# KiCad board ben-eater-computer.kicad_pcb (continued)
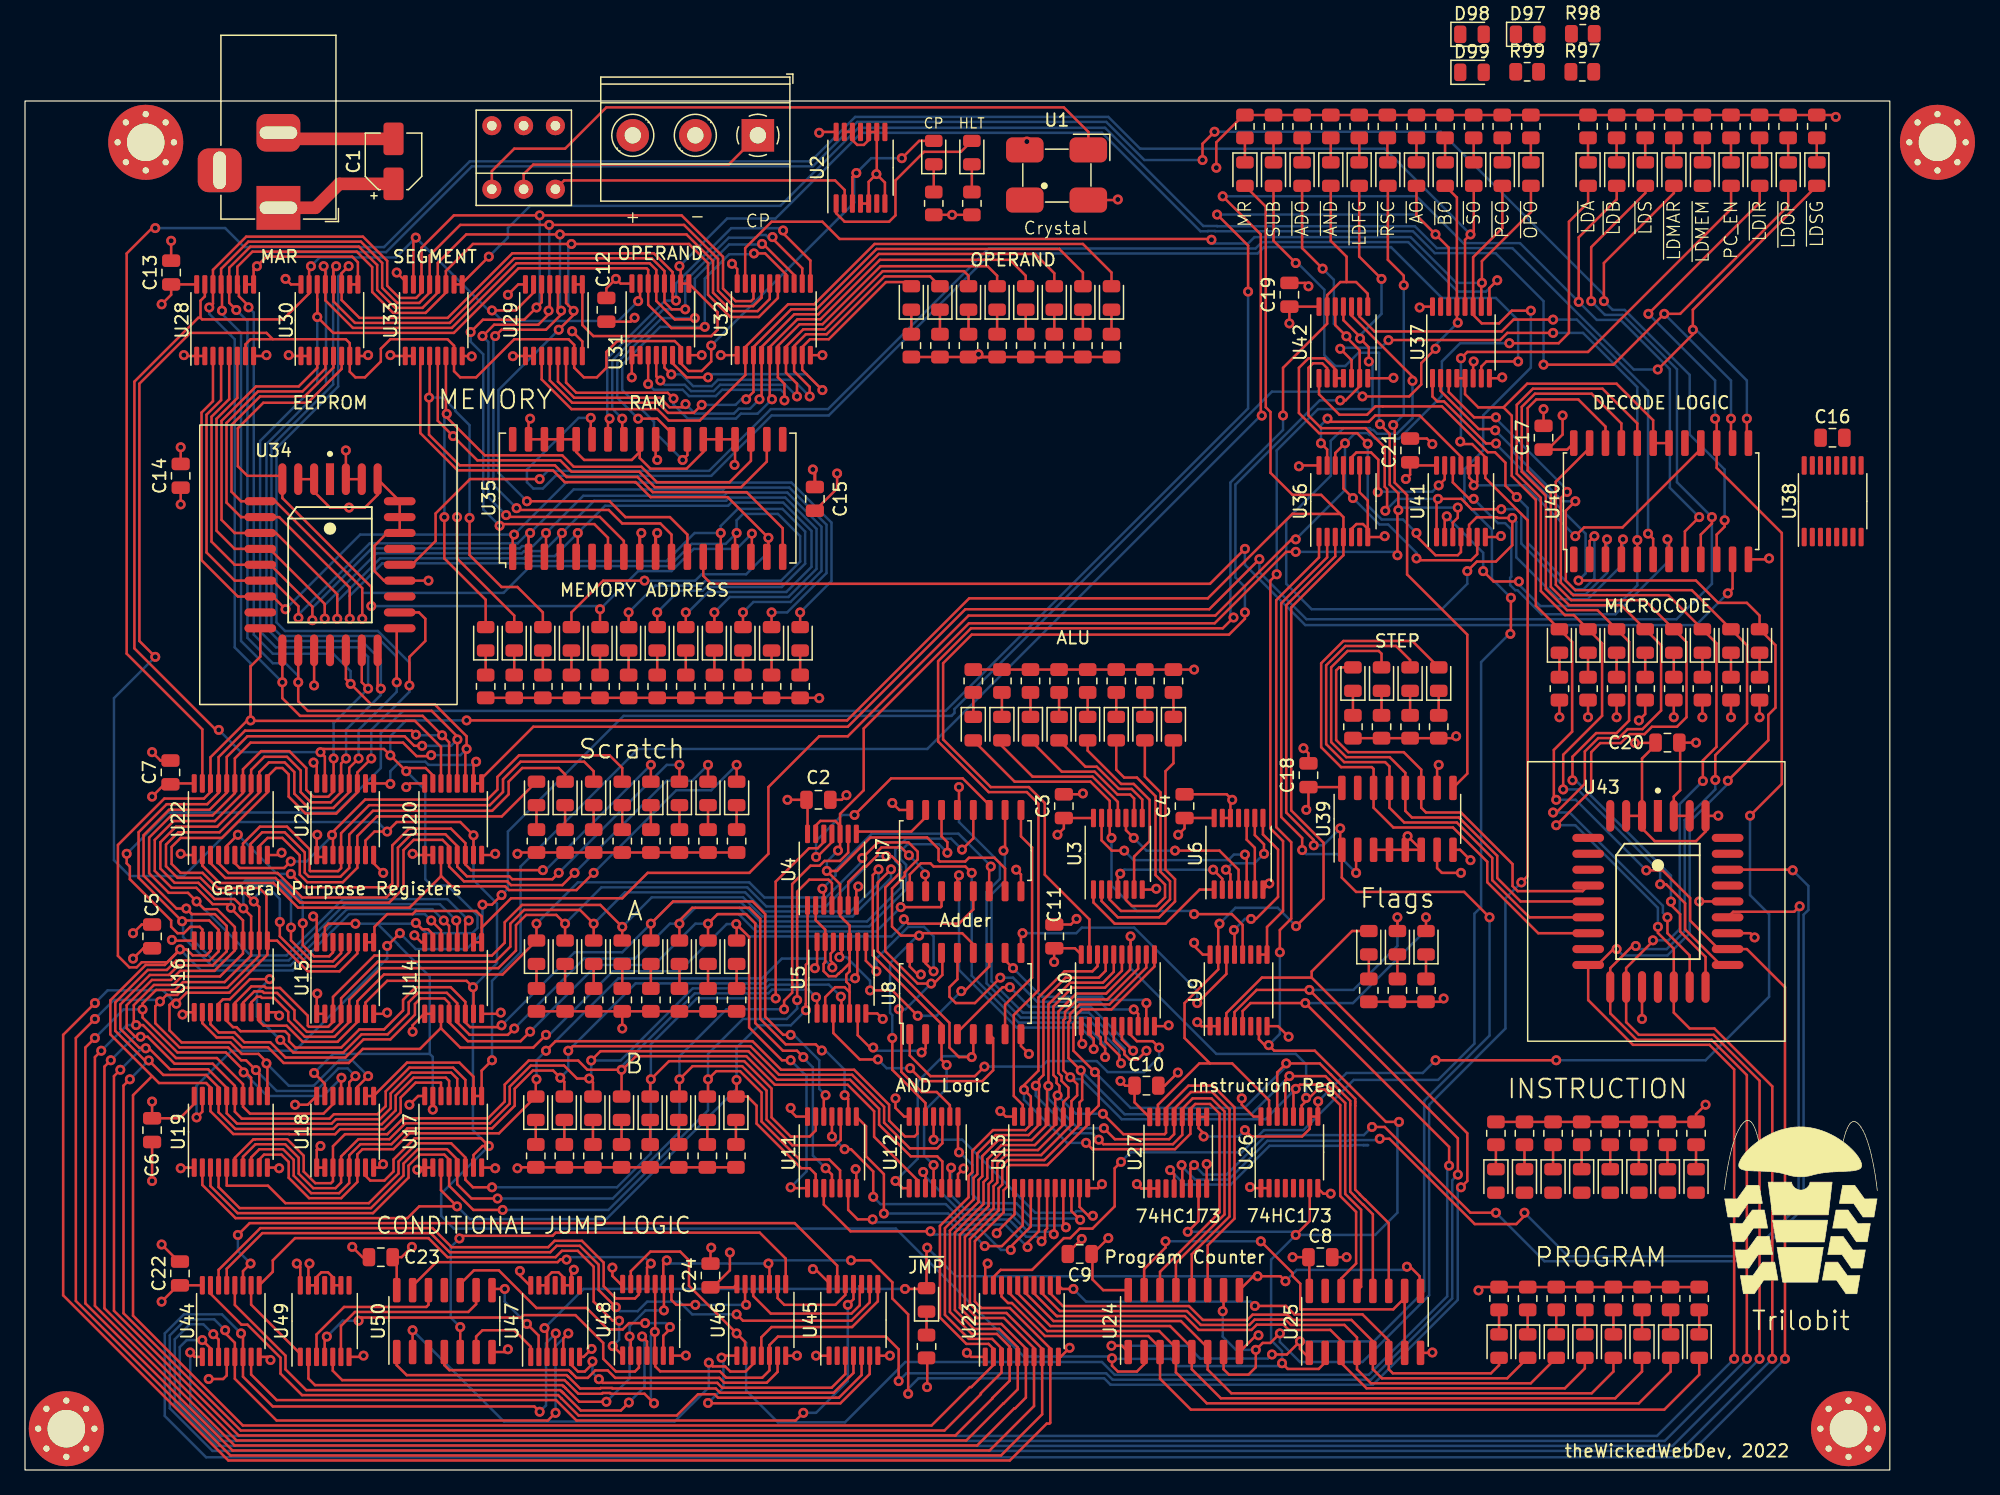
[diagram p0: board, top side]
## Routing (per net, layer and track width the routed paths; a pad name or vN(x,y) marks a point on that pad's centre or on a via; arc(x,y) is an arc through that point) (continued)
/Memory/MAR5: length 93.4
  Top w0.2: D60.2 v1(50.55,68.58) ; U30.4 24.01,88.08 22.19,86.25 18.63,86.25 16.11,83.73 16.11,77.36 17.27,76.2 U34.6 20.32,76.2 25.96,70.56 v1(25.96,68.07) ; v1(55.63,74.93) 55.63,73.15
  Bottom w0.2: v1(25.96,68.07) 25.96,69.91 28.56,72.5 40.06,72.5 40.23,72.68 51.29,72.68 53.54,74.93 v1(55.63,74.93) 55.63,75.49 56.98,76.85 60.56,76.85 62.38,75.04 62.38,72.48 60.51,70.61 54.47,70.61 54.18,70.32 52.29,70.32 v1(50.55,68.58)
/Memory/MAR6: length 94
  Top w0.2: U35.15 56.77,74.8 v1(56.9,74.93) ; D59.2 v1(48.26,68.58) ; v1(26.96,68.07) 26.96,70.52 20.01,77.47 U34.5 17.27,77.47 16.51,78.23 16.51,83.57 18.8,85.85 22.35,85.85 24.66,88.16 U30.5
  Bottom w0.2: v1(48.26,68.58) 50.4,70.72 54.01,70.72 54.41,71.12 60.45,71.12 61.98,72.64 61.98,74.68 60.2,76.45 57.4,76.45 56.9,75.95 v1(56.9,74.93) 56.03,74.06 53.3,74.06 51.52,72.28 40.4,72.28 38.26,70.14 26.96,70.14 v1(26.96,68.07)
/Memory/MAR7: length 67.7
  Top w0.2: D58.2 v1(45.97,68.83) ; U30.6 25.31,88.05 22.61,85.34 19.05,85.34 17.02,83.31 17.02,80.26 17.78,79.5 20.31,79.5 U34.4 20.57,77.72 27.69,70.61 v1(27.69,69.09) ; 58.11,73.1 v1(58.11,74.88)
  Bottom w0.2: v1(27.69,69.09) 45.72,69.09 v1(45.97,68.83) 49.02,71.88 51.69,71.88 53.47,73.66 56.9,73.66 v1(58.11,74.88)
/Memory/OPND0: length 58
  Top w0.2: U29.3 41.31,87.21 43.69,84.84 50.55,84.84 51.46,83.92 53.95,83.92 57.59,87.56 U32.2 57.59,89.8 61.01,93.22 63.1,93.22 67.93,98.04 84.58,98.04 86.87,95.76 D73.2
/Memory/OPND1: length 55.1
  Top w0.2: v1(57.66,85.62) 58.24,86.21 U32.3 58.24,89.8 61.26,92.82 63.27,92.82 68.09,97.64 82.7,97.64 84.58,95.76 D72.2 ; v1(54.1,85.18) 53.46,84.54 51.41,84.54 50.6,85.34 43.74,85.34 41.96,87.13 U29.4
  Bottom w0.2: v1(57.66,85.62) 57.26,85.62 56.81,85.18 v1(54.1,85.18)
/Memory/OPND2: length 52.3
  Top w0.2: U29.5 42.61,87.04 43.91,85.74 50.77,85.74 51.53,84.98 52.55,84.98 v1(52.81,85.24) ; D71.2 82.3,95.7 80.75,97.24 68.26,97.24 63.43,92.42 61.51,92.42 58.89,89.8 U32.4 58.89,85.79 v1(58.72,85.62)
  Bottom w0.2: v1(52.81,85.24) 53.57,84.48 56.68,84.48 57.07,84.87 57.97,84.87 v1(58.72,85.62)
/Memory/OPND3: length 49.7
  Top w0.2: D70.2 80.01,95.5 78.74,96.77 68.35,96.77 63.6,92.02 61.76,92.02 59.54,89.8 U32.5 59.54,85.8 v1(59.72,85.62) ; v1(51.85,85.68) 51.39,86.14 44.08,86.14 43.26,86.96 U29.6
  Bottom w0.2: v1(51.85,85.68) 51.85,85.21 52.98,84.08 56.84,84.08 57.24,84.47 58.57,84.47 v1(59.72,85.62)
/Memory/OPND4: length 40.4
  Top w0.2: v1(49.82,86.84) 49.83,86.84 U31.3 ; D69.2 77.72,95.5 76.96,96.27 68.41,96.27 63.77,91.62 61.93,91.62 60.19,89.89 U32.6 60.19,87.38 60.72,86.86 v1(60.72,85.54)
  Bottom w0.2: v1(49.82,86.84) 50.29,86.38 52.58,86.38 53.09,85.88 55.23,85.88 55.73,86.38 60.43,86.38 60.72,86.09 v1(60.72,85.54)
/Memory/OPND5: length 36.5
  Top w0.2: v1(61.72,85.85) 61.72,86.87 60.84,87.75 U32.7 60.84,89.84 62.23,91.22 63.93,91.22 68.57,95.87 75.08,95.87 75.44,95.5 D68.2 ; U31.4 50.47,87.45 v1(50.8,87.12)
  Bottom w0.2: v1(61.72,85.85) 60.79,86.78 55.57,86.78 55.07,86.28 53.25,86.28 52.75,86.78 51.14,86.78 v1(50.8,87.12)
/Memory/OPND6: length 32.8
  Top w0.2: D67.2 72.36,95.45 68.72,95.45 64.1,90.82 62.43,90.82 61.49,89.88 U32.8 61.49,87.86 62.74,86.61 v1(62.74,85.85) ; U31.5 51.12,88.16 v1(51.67,87.62)
  Bottom w0.2: v1(62.74,85.85) 61.41,87.18 55.4,87.18 54.9,86.68 53.42,86.68 52.48,87.62 v1(51.67,87.62)
/Memory/OPND7: length 28.4
  Top w0.2: v1(63.75,86.36) 62.14,87.97 U32.9 62.14,89.8 62.76,90.42 64.26,90.42 68.83,95 70.53,95 ; v1(54.61,87.38) 52.9,87.38 51.78,88.5 51.78,89.15
  Bottom w0.2: v1(63.75,86.36) 62.48,87.63 54.86,87.63 v1(54.61,87.38)
/Memory/SEG0: length 58.8
  Top w0.2: v1(49.53,71.12) 46.23,71.12 43.69,68.58 D57.2 ; 31.6,88.99 31.6,82.92 34.58,79.94 42.21,79.94 43.15,79 48.82,79 50.02,77.8 56.18,77.8 v1(59.44,74.54) 59.44,73.15
  Bottom w0.2: v1(59.44,74.54) 59.44,73.41 57.66,71.63 54.1,71.63 53.59,71.12 v1(49.53,71.12)
/Memory/SEG1: length 63.5
  Top w0.2: U33.4 32.35,85.81 v1(32.3,85.76) 32.3,82.79 34.75,80.34 42.37,80.34 43.3,79.41 48.97,79.41 50.18,78.19 57.7,78.19 60.58,75.31 U35.18 ; D56.2 41.4,68.58 39.37,70.61 38.1,70.61 35.54,73.17 v1(35.54,76.13)
  Bottom w0.2: v1(35.54,76.13) 35.54,83.55 34.42,84.67 34.42,84.75 33.41,85.76 v1(32.3,85.76)
/Memory/SEG2: length 54.4
  Top w0.2: 59.31,81.66 59.31,82.42 59.31,80.65 57.26,78.59 50.35,78.59 49.12,79.83 43.7,79.83 42.79,80.74 36.17,80.74 v1(34.23,82.68) 33,83.91 U33.5 ; v1(34.54,76.2) 34.54,72.9 39.12,68.33 D55.2
  Bottom w0.2: v1(34.54,76.2) 34.54,82.36 v1(34.23,82.68)
/Memory/SEG3: length 52.3
  Top w0.2: U33.6 33.65,84.24 36.76,81.14 42.96,81.14 43.87,80.23 49.28,80.23 50.52,78.99 56.33,78.99 58.04,80.7 U35.21 ; D54.2 36.83,69.6 33.53,72.9 v1(33.53,76.2)
  Bottom w0.2: v1(33.72,84.46) 33.53,84.27 v1(33.53,76.2)
/PC/PC0: length 64
  Top w0.2: U23.18 78.07,13.87 78.59,13.35 78.91,13.35 81.55,10.71 89.81,10.71 90.75,9.77 ; D45.2 133.86,7.62 131.06,4.83 93.22,4.83 90.75,7.3 U24.3
/PC/PC1: length 60.1
  Top w0.2: U23.17 78.72,14.12 81.73,11.11 90.68,11.11 92.02,9.77 ; U24.4 92.02,7.8 94.49,5.33 129.03,5.33 131.57,7.87 D44.2
/PC/PC2: length 56.3
  Top w0.2: U23.16 79.37,14.12 81.98,11.51 91.55,11.51 93.29,9.77 ; 93.29,9.09 93.29,8.06 95.61,5.73 127.15,5.73 129.29,7.87 D43.2
/PC/PC3: length 53.1
  Top w0.2: U23.15 80.02,14.12 82.23,11.91 92.42,11.91 94.56,9.77 ; D42.2 127,7.87 125.26,6.13 96.45,6.13 94.56,8.03 94.56,9.09
/PC/PC4: length 49.9
  Top w0.2: U23.14 80.67,14.12 82.48,12.31 82.57,12.31 92.73,12.31 93.84,11.2 98.06,11.2 98.48,11.62 100.62,11.62 101.04,11.2 104.37,11.2 105.23,10.34 U25.3 ; D41.2 124.71,8.13 123.12,6.53 107.26,6.53 105.23,8.57
/PC/PC5: length 47.4
  Top w0.2: D40.2 120.39,6.93 107.62,6.93 106.5,8.06 U25.4 106.5,10.6 105.49,11.6 101.21,11.6 100.79,12.02 98.31,12.02 97.89,11.6 94.01,11.6 92.9,12.71 82.73,12.71 81.32,14.12 U23.13
/PC/PC6: length 44
  Top w0.2: U23.12 81.97,14.12 82.98,13.11 93.06,13.11 94.17,12 97.73,12 98.15,12.42 100.95,12.42 101.37,12 106.05,12 107.77,10.29 U25.5 107.77,8.06 108.49,7.33 118.51,7.33 D39.2
/PC/PC7: length 40.3
  Top w0.2: D38.2 117.86,8.38 117.21,7.73 109.36,7.73 109.04,8.06 U25.6 109.04,10.34 106.93,12.45 101.49,12.45 100.82,13.12 v1(98.33,13.12) ; U23.11 82.92,14.48 v1(83.82,14.48)
  Bottom w0.2: v1(98.33,13.12) 97.99,13.46 84.84,13.46 v1(83.82,14.48)
/PC_EN: length 139.8
  Top w0.2: U24.10 95.83,12.77 v1(95.76,12.7) ; v1(114.75,82.24) 114.95,82.04 115.7,82.04 116.76,80.99 U41.8 116.76,79.33 120.14,75.95 120.14,47.5 v1(119.63,46.99) ; U24.7 95.83,8.06 96.27,7.62 97.81,7.62 98.41,8.22 v1(98.41,9.61) 98.96,10.16 99.57,10.16 v1(100.33,10.92) ; D79.2 136.41,100.85 124.97,89.41 115.32,89.41 v1(114.81,88.9)
  Bottom w0.2: v1(114.75,82.24) 114.81,82.3 v1(114.81,88.9) ; v1(119.63,46.99) 118.36,45.72 118.36,35.31 112.27,29.21 112.27,13.97 106.93,8.64 101.94,8.64 100.33,10.24 v1(100.33,10.92) ; v1(95.76,12.7) 95.76,10.67 96.82,9.61 v1(98.41,9.61)
/SF: length 132.1
  Top w0.2: v1(113.86,24.34) 113.86,25.84 v1(102.36,37.34) 97.99,37.34 97.35,36.7 97.35,35.49 ; U46.2 57.57,10.25 v1(56.9,10.92) 53.09,14.73 53.09,16.76 52.39,17.46 50,17.46 48.43,15.89 U48.13 ; D10.2 v1(112.01,44.2)
  Bottom w0.2: v1(56.9,10.92) 57.66,10.16 57.66,6.35 60.2,3.81 65.56,3.81 70.38,8.64 86.11,8.64 87.12,7.62 107.44,7.62 113.71,13.89 113.71,24.18 v1(113.86,24.34) ; v1(112.01,44.2) 112.01,43.18 106.17,37.34 v1(102.36,37.34)
/SUB: length 153.2
  Top w0.2: v1(101.6,96.52) 99.82,98.3 D90.2 ; U5.5 65.93,38.77 65.67,39.03 65.67,39.61 65.93,39.87 65.93,40.98 65.93,40.98 65.93,42.23 ; v1(114.55,76.96) 114.55,76.15 114.16,75.76 U41.3 ; 65.93,38.21 65.53,38.61 64.77,38.61 63.98,37.82 U5.2 ; 65.17,51.52 64.78,51.91 63.59,51.91 63.22,51.53 U4.13 ; v1(109.73,73.15) 109.73,76.69 v1(109.8,76.76) 109.8,78.1 109.11,78.79 109.11,82.85 v1(108.33,83.63) ; 65.93,40.53 65.28,39.88 65.25,39.88 65.07,39.7 65.05,39.7 64.84,39.49 64.26,39.49 63.85,39.9 63.85,40.48 63.95,40.58 63.95,40.62 63.99,40.66 63.98,40.67 U5.13 63.98,43.21 63.22,43.97 U4.2 ; 65.93,41.31 65.93,41.32 U5.10 65.93,43.55 65.17,44.31 U4.5 65.17,46.85 v1(64.11,47.91) 64.92,47.91 67.6,50.58 72.13,50.58 73.04,49.67 73.04,48.76 73.14,48.66 75.17,48.66 75.47,48.96 77.51,48.96 78.36,48.11 U7.7 ; v1(65,49.54) 65.17,49.7 U4.10 65.17,52.47 67.06,54.36 67.06,59.3 75.47,67.71 95.12,67.71 100.83,73.42 v1(101.6,73.42)
  Bottom w0.2: v1(65,49.54) 64.11,48.64 v1(64.11,47.91) ; v1(114.55,76.96) 110,76.96 v1(109.8,76.76) ; v1(108.33,83.63) 108.26,83.7 108.26,89.32 108.24,89.35 106.62,89.35 105.56,88.28 104.76,88.28 103.89,89.15 103.89,94.38 101.74,96.52 v1(101.6,96.52) ; v1(109.73,73.15) 109.46,73.42 v1(101.6,73.42)
/ZF: length 162.7
  Top w0.2: U9.4 96.7,36.62 98.48,38.39 v1(102.69,38.39) 114.56,26.52 v1(114.56,23.62) ; v1(50.29,5.33) 49.53,6.1 46.83,6.1 46.77,6.16 46.19,6.16 46.13,6.1 44.24,6.1 43.38,6.95 43.37,6.96 43.14,7.19 25.36,7.19 24.61,7.93 U49.5 ; v1(69.85,7.11) 69.85,9.65 68.83,10.67 60.2,10.67 59.52,9.99 U46.5 59.52,7.96 58.94,7.38 56.07,7.38 55.56,7.89 50.79,7.89 50.38,8.29 U48.5 ; v1(109.73,44.2) D8.2 ; U48.10 50.38,11.08 v1(50.35,11.05) 50.35,9.17
  Bottom w0.2: v1(114.56,23.62) 114.11,23.17 114.11,13.72 107.61,7.22 86.96,7.22 86.45,7.73 70.47,7.73 v1(69.85,7.11) ; v1(50.35,11.05) 50.04,10.73 50.04,5.59 v1(50.29,5.33) ; v1(109.73,44.2) 109.73,41.91 106.21,38.39 v1(102.69,38.39)
/~{A_IN}: length 142.2
  Top w0.2: v1(101.6,74.42) 101.27,74.42 95.17,68.33 75.44,68.33 65.79,58.67 63.5,58.67 59.44,54.61 59.44,49.28 57.91,47.75 49.78,47.75 47.75,45.72 38.86,45.72 36.51,43.37 ; U15.10 U15.9 ; v1(105.54,82.1) 104.76,81.33 U36.12 ; D96.2 124.98,101.35 123.44,99.82 123.44,90.93 122.62,90.11 v1(118.68,90.11) ; U14.10 U14.9 36.51,44.26 36.07,44.7 31.24,44.7 30.99,44.45 28.96,44.45 27.94,43.43 27.94,42.27
  Bottom w0.2: v1(101.6,74.42) 105.54,78.36 v1(105.54,82.1) 106.34,82.91 107.36,82.91 107.51,82.77 107.64,82.77 107.94,82.47 109.85,82.47 113.28,85.9 113.28,88.65 114.75,90.11 v1(118.68,90.11)
/~{A_OUT}: length 162.6
  Top w0.2: v1(97.79,94.23) 97.79,97.92 v1(95.31,100.4) ; U16.19 14.18,43.23 13.97,43.43 13.21,43.43 12.7,42.93 12.19,42.93 11.68,43.43 11.68,43.94 8.38,47.24 8.38,48.26 8.13,48.51 v1(8.13,49.28) ; U37.14 113.83,97.75 v1(112.78,98.81) 111.25,100.33 D95.2
  Bottom w0.2: v1(8.13,49.28) 11.43,52.58 24.89,52.58 28.45,56.13 28.45,58.93 30.23,60.71 73.6,60.71 97.79,84.89 v1(97.79,94.23) ; v1(112.78,98.81) 111.19,100.4 v1(95.31,100.4)
/~{ADDER_OUT}: length 100.4
  Top w0.2: U42.12 104.76,91.55 v1(105.65,90.66) 105.65,90.59 106.71,89.53 U42.6 106.71,86.65 105.59,85.54 v1(105.16,85.54) ; v1(97.54,68.58) 97.54,68.07 96.27,66.8 75.69,66.8 73.41,64.52 73.41,58.42 77.22,54.61 80.26,54.61 81.53,53.34 81.53,47.6 85.1,44.03 U10.19 ; D89.2 102.11,97.71 v1(103.75,96.07)
  Bottom w0.2: v1(97.54,68.58) 97.54,70.61 96.77,71.37 96.77,78.8 103.51,85.54 v1(105.16,85.54) ; v1(103.75,96.07) 104.65,95.17 104.65,91.66 v1(105.65,90.66)
/~{AND}: length 110.1
  Top w0.2: D88.2 104.4,98.29 105.66,97.03 105.66,95 ; v1(100.58,84.33) 100.58,88.14 104.11,91.66 U42.13 104.11,93.95 105.16,95 106.43,95 107.36,94.06 U42.8 ; v1(96.62,68.17) 95.77,67.31 75.64,67.31 73.01,64.68 73.01,58.25 77.05,54.21 80.1,54.21 81.03,53.28 81.03,38.35 79.05,36.38 79.05,29.91 79.77,29.2 U13.19
  Bottom w0.2: v1(96.62,68.17) 96.37,68.42 96.37,78.96 100.58,83.17 v1(100.58,84.33)
/~{B_IN}: length 193.7
  Top w0.2: v1(98.88,84.32) 98.81,84.39 98.81,98.81 v1(95.76,101.85) ; D94.2 127.26,101.61 124.22,98.57 v1(124.22,93.41) ; U40.8 132.72,75.06 v1(133.86,76.2) ; U18.10 U18.9 30.54,32.57 34.74,32.57 35.86,31.45 U17.10 U17.9 36.51,31.94 v1(37.34,32.77)
  Bottom w0.2: v1(95.76,101.85) 111.25,101.85 115,98.11 119.53,98.11 v1(124.22,93.41) 125.67,91.97 127.57,91.97 131.51,88.03 131.51,78.55 v1(133.86,76.2) ; v1(98.88,84.32) 98.8,84.32 72.14,57.66 49.02,57.66 39.62,48.26 39.62,41.4 37.34,39.12 v1(37.34,32.77)
/~{B_OUT}: length 149.3
  Top w0.2: v1(38.1,45.97) 37.34,45.21 v1(36.58,45.21) ; v1(112.78,89.66) 111.64,88.52 111.64,86.81 110.67,85.85 v1(106.93,85.85) ; D93.2 114.48,101.76 U37.13 114.48,91.82 v1(114.55,91.75) ; v1(13.72,28.19) 14.18,28.66 U19.19 ; v1(28.96,41.91) v1(29.97,42.93)
  Bottom w0.2: v1(29.97,42.93) 31.24,41.66 35.31,41.66 36.58,42.93 v1(36.58,45.21) ; v1(13.72,28.19) 13.72,30.73 16.51,33.53 21.59,33.53 28.96,40.89 v1(28.96,41.91) ; v1(106.93,85.85) 106.55,86.24 99.7,86.24 74.31,60.85 74.31,60.54 74.08,60.31 47.86,60.31 38.61,51.05 38.61,46.48 v1(38.1,45.97) ; v1(114.55,91.75) 112.78,89.97 v1(112.78,89.66)
/~{FLAGS_IN}: length 73.9
  Top w0.2: v1(107.44,88.65) 107.44,89.78 v1(106.74,90.48) 106.74,90.62 105.41,91.95 U42.11 ; v1(100.08,71.63) 99.57,71.12 99.57,51.31 100.58,50.29 100.58,44.7 99.3,43.42 U9.9 U9.10 ; v1(108.46,95.25) 106.67,97.04 D87.2
  Bottom w0.2: v1(100.08,71.63) 100.08,81.53 103.38,84.84 107.67,84.84 107.74,84.9 107.74,88.35 v1(107.44,88.65) ; v1(106.74,90.48) 106.74,90.74 108.46,92.46 v1(108.46,95.25)
/~{HALT}: length 16.2
  Top w0.2: D2.2 74.83,105.41 71.88,105.41 69.6,103.12 69.6,100.33 69.09,99.82 65.53,99.82 64.85,100.5 U2.1
/~{INST_IN}: length 128.6
  Top w0.2: v1(129.79,92.46) 138.69,101.35 D86.2 ; v1(94.23,26.67) 94.23,26.92 93.83,27.33 U27.10 U27.9 ; v1(122.43,32.77) v1(112.78,32.77) ; v1(135.13,84.07) 135.25,83.95 U40.15 135.25,80.14 140.46,74.93 140.46,54.86 v1(137.92,52.32) ; v1(103.39,29.48) 103.37,29.45 U26.9 U26.10 102.72,27.28 102.11,26.67 98.04,26.67 v1(97.54,27.18)
  Bottom w0.2: v1(103.39,29.48) 105.66,31.75 111.76,31.75 v1(112.78,32.77) ; v1(94.23,26.67) 97.03,26.67 v1(97.54,27.18) ; v1(135.13,84.07) 135.13,87.12 v1(129.79,92.46) ; v1(137.92,52.32) 137.92,45.97 139.45,44.45 139.45,37.85 134.37,32.77 v1(122.43,32.77)
/~{MAR_IN}: length 171.6
  Top w0.2: U40.10 135.25,74.8 135.89,75.44 v1(135.89,75.95) ; v1(94.15,104.76) 94.15,106.06 v1(95.11,107.02) ; D81.2 131.83,102.12 126.24,96.52 v1(126.24,93.47) ; U30.10 U30.9 26.61,96.58 26.16,97.03 19.3,97.03 18.28,96 U28.9 U28.10
  Bottom w0.2: v1(95.11,107.02) 113.2,107.02 126.24,93.98 v1(126.24,93.47) 126.94,92.77 127.9,92.77 133.1,87.57 133.1,82.8 135.89,80.01 v1(135.89,75.95) ; v1(94.15,104.76) 89.5,104.76 86.45,107.8 66.54,107.8 62.99,104.25 35.73,104.25 28.87,97.39 19.67,97.39 v1(18.54,96.27)
/~{MEM_SEG_IN}: length 140.7
  Top w0.2: v1(130.54,88.01) 133.35,90.81 v1(133.35,91.19) 133.35,92.78 D82.2 ; 34.95,94.9 v1(37.08,97.03) ; v1(137.67,84.07) 137.67,82.25 ; U33.10 U33.9
  Bottom w0.2: v1(133.35,91.19) 133.6,91.19 137.67,87.12 v1(137.67,84.07) ; v1(37.08,97.03) 38.61,98.55 38.61,99.31 40.39,101.09 60.4,101.09 66.64,107.33 86.35,107.33 94.21,99.48 95.32,99.48 95.34,99.46 111.13,99.46 112.89,97.71 118.92,97.71 128.63,88.01 v1(130.54,88.01)
/~{OP_IN}: length 145
  Top w0.2: v1(136.4,84.07) 136.4,82.25 ; v1(121.41,88.39) 127,88.39 v1(131.06,92.46) 132.33,92.46 140.98,101.1 D84.2 ; U29.10 U29.9 44.56,91.56 45.44,90.68 54.86,90.68 55.37,91.19 55.37,92.58 U31.9 U31.10 52.42,96.17 v1(52.32,96.27)
  Bottom w0.2: v1(121.41,88.39) 121.41,93.47 117.58,97.31 112.72,97.31 110.97,99.06 95.17,99.06 95.15,99.08 94.57,99.08 94.55,99.06 93.98,99.06 86.11,106.93 66.86,106.93 60,100.08 56.13,100.08 v1(52.32,96.27) ; v1(131.06,92.46) 136.4,87.12 v1(136.4,84.07)
/~{OP_OUT}: length 76.5
  Top w0.2: D83.2 120.4,100.59 116.48,96.67 v1(116.48,94.93) 116.43,94.88 U37.10 ; v1(94.86,98.38) 94.8,98.44 65.13,98.44 63.75,99.82 59.69,99.82 57.58,97.71 57.58,94.89
  Bottom w0.2: v1(116.48,94.93) 114.44,94.93 110.79,98.59 98.3,98.59 97.79,98.08 94.92,98.08 94.86,98.14 v1(94.86,98.38)
/~{PC_IN}: length 81.1
  Top w0.2: v1(100.78,15.1) 100.38,15.49 98.21,15.49 U24.9 ; v1(72.14,17.78) 72.08,17.72 D108.2 ; 111.51,14.99 111.51,15.49 110.74,16.26 v1(110.49,16.26) ; v1(70.36,14.48) 72.02,14.48 ; v1(41.53,11.35) 41.74,11.15 U47.3
  Bottom w0.2: v1(72.14,17.78) 74.42,15.49 v1(98.55,15.49) ; v1(41.53,11.35) 44.66,14.48 v1(70.36,14.48) ; v1(100.78,15.1) 101.68,16 110.24,16 v1(110.49,16.26)
/~{PC_OUT}: length 128.8
  Top w0.2: v1(120.4,92.71) 118.87,92.71 117.86,91.69 116.47,91.69 115.78,92.38 U37.11 115.78,96.99 118.12,99.32 D85#2.2 ; v1(87.63,24.64) 87.12,24.13 87.12,21.08 85.34,19.3 84.33,19.3 83.57,18.54 83.06,18.54 80.52,16 78,16 77.42,15.42 U23.19 ; v1(118.76,66.86) 118.8,66.91 v1(118.8,69.75)
  Bottom w0.2: v1(120.4,92.71) 120.4,88.15 116.59,84.34 116.59,81.53 115.08,80.03 115.08,77.42 115.25,77.25 115.25,77.24 117.29,75.2 117.29,71.27 v1(118.8,69.75) ; v1(118.76,66.86) 118.68,66.86 116.42,64.6 116.42,45.02 115.89,44.49 115.89,34.1 112.98,31.2 106.24,31.2 102.22,27.18 99.06,27.18 97.28,25.4 88.39,25.4 v1(87.63,24.64)
/~{READ_CODE}: length 103.1
  Top w0.2: v1(41.15,79.24) 35.58,79.24 32.83,76.49 32.83,74.29 30.93,72.39 ; v1(117.71,95.14) 117.08,94.51 U37.9
  Bottom w0.2: v1(41.15,79.24) 41.81,79.9 54.7,79.9 59.63,84.84 64.21,84.84 77.05,97.68 98.39,97.68 98.89,98.19 110.6,98.19 114.55,94.23 116.81,94.23 v1(117.71,95.14)
/~{READ_DATA}: length 106.8
  Top w0.2: U37.7 116.43,88.24 116.84,88.65 v1(119.38,88.65) ; v1(45.23,84.14) 45.23,82.53 U35.31
  Bottom w0.2: v1(45.23,84.14) 44.26,84.14 40.13,80.01 40.13,78.99 40.64,78.49 41.4,78.49 42.42,79.5 54.86,79.5 59.69,84.33 64.26,84.33 77.22,97.28 98.55,97.28 99.06,97.79 109.22,97.79 113.28,93.73 117.6,93.73 119.38,91.95 v1(119.38,88.65)
/~{S_IN}: length 164.5
  Top w0.2: U20.9 U20.10 35.86,56.43 v1(36.07,56.64) ; v1(29.21,54.86) 29.17,54.9 U21.9 U21.10 ; v1(134.87,76.2) 134.87,75.69 133.99,74.8 U40.9 ; D92.2 129.55,102.12 125.22,97.79 v1(125.22,93.47) ; 36.51,55.3 40.64,59.44 65.79,59.44 75.18,68.83 94.69,68.83 v1(98.69,72.84)
  Bottom w0.2: v1(29.21,54.86) 29.21,55.88 29.97,56.64 32,56.64 32.26,56.39 35.81,56.39 v1(36.07,56.64) ; v1(125.22,93.47) 126.32,92.37 127.73,92.37 132.08,88.02 132.08,78.99 v1(134.87,76.2) 134.87,70.87 132.04,68.03 102.46,68.03 98.69,71.8 v1(98.69,72.84)
/~{S_OUT}: length 172
  Top w0.2: U22.19 14.18,59.23 8.13,65.28 8.13,97.28 10.16,99.31 v1(10.41,99.31) ; U37.12 115.13,98.37 v1(115.57,98.81) 115.83,99.07 D91.2
  Bottom w0.2: v1(115.57,98.81) 108.71,105.66 89.15,105.66 86.61,108.2 66.38,108.2 62.82,104.65 35.56,104.65 28.7,97.79 17.53,97.79 16,99.31 v1(10.41,99.31)
/~{WRITE_DATA}: length 92.1
  Top w0.2: v1(136.14,70.1) 136.53,70.49 U40.11 ; 54.23,73.02 54.23,71.5 54.86,70.87 94.74,70.87 v1(97.54,73.66)
  Bottom w0.2: v1(97.54,73.66) 97.54,72.39 102.36,67.56 133.6,67.56 v1(136.14,70.1)
BUS0: length 444.4
  Top w0.2: v1(18.03,59.94) 18.03,64.26 18.81,65.04 U34.13 ; v1(84.84,26.16) 85.34,25.65 91.95,25.65 93.18,26.88 U27.11 93.18,28.89 93.56,29.27 94.74,29.27 95.5,28.51 95.5,20.6 90.75,15.84 U24.14 ; v1(37.94,75.51) 38.07,75.64 45.52,75.64 46.61,74.55 46.61,73.02 ; U10.18 85.75,40.29 85.34,39.88 83.11,39.88 81.03,37.79 81.03,31.93 79.87,30.77 v1(79.87,30.41) 80.42,29.87 U13.18 80.42,27.61 79.99,27.18 77.4,27.18 75.74,25.52 75.74,23.82 75.44,23.52 75.44,21.81 73.15,19.52 73.15,12.2 75.27,10.08 77.04,10.08 77.42,9.7 U23.2 77.42,8.39 75.66,6.63 75.55,6.63 72.48,3.56 17.41,3.56 8.64,12.34 8.64,29.97 10.16,31.5 ; v1(14.73,92.96) 15.03,93.26 U28.14 15.03,95.97 17.68,98.63 27.02,98.63 28.96,96.69 28.96,94.7 29.93,93.73 31.27,93.73 31.7,94.16 U33.14 31.7,97.74 34.29,100.33 v1(41.15,100.33) 52.49,100.33 55.81,97.02 55.81,94.48 56.81,93.47 58.05,93.47 58.24,93.67 U32.18 ; v1(12.39,41.63) 11.37,40.6 9.34,40.6 8.93,40.19 8.35,40.19 7.43,41.11 7.43,49.98 11.14,53.69 14.31,53.69 14.83,54.21 U22.18 14.83,56.99 17.74,59.91 31.17,59.91 33.26,57.82 U20.14 ; v1(12.39,41.63) 12.92,41.63 13.41,41.15 14.48,41.15 14.83,41.5 U16.18 ; v1(12.39,41.63) 12.39,41.6 11.18,40.39 9.65,40.39 6.82,37.55 6.82,34.84 10.71,30.94 14.48,30.94 14.83,30.6 U19.18 14.83,28.69 16.65,26.87 21.11,26.87 21.13,26.85 24.79,26.85 25.19,27.25 28.69,27.25 30.03,28.59 30.03,29.78 31.23,30.98 33.26,30.98 U17.14 ; v1(35.63,91) 36.61,91.99 39.92,91.99 v1(40.89,92.96) 41.31,93.38 U29.14 ; v1(32.48,43.94) 33.26,43.16 U14.14
  Bottom w0.2: v1(12.39,41.63) 14.07,39.95 21.41,39.95 25.91,44.45 31.97,44.45 v1(32.48,43.94) ; v1(37.94,75.51) 36.64,76.82 36.64,89.22 35.63,90.22 v1(35.63,91) ; v1(41.15,100.33) 41.15,93.22 v1(40.89,92.96) ; v1(84.84,26.16) 83.31,26.16 79.87,29.6 v1(79.87,30.41) ; v1(18.03,59.94) 18.03,64.52 16.76,65.79 16.76,90.42 14.73,92.46 v1(14.73,92.96)
BUS1: length 451.8
  Top w0.2: U34.14 20.57,61.72 21.99,60.31 31.8,60.31 v1(33.35,58.75) 33.91,58.19 U20.13 ; v1(15.75,92.71) 15.75,94.74 ; v1(38.47,76.36) 38.61,76.22 45.96,76.22 47.88,74.3 U35.8 ; U17.13 33.91,31.12 33.65,31.38 31.06,31.38 29.63,29.95 29.63,28.76 28.53,27.65 25.03,27.65 24.65,27.27 16.81,27.27 15.48,28.6 U19.17 15.48,30.6 14.48,31.59 11.05,31.59 v1(9.89,32.75) 9.58,32.75 7.22,35.11 7.22,37.39 9.82,39.99 11.34,39.99 12.1,40.75 14.76,40.75 15.48,41.47 U16.17 15.48,43.2 14.73,43.94 12.63,43.94 v1(12.56,43.88) 9.08,47.36 9.08,51 11.32,53.24 14.57,53.24 15.48,54.15 U22.17 15.48,57.01 17.59,59.12 30.93,59.12 v1(31.25,58.8) ; U14.13 33.91,43.51 v1(33.48,43.94) ; v1(36.58,90.68) 36.6,90.68 37.51,91.59 41.04,91.59 41.86,92.41 v1(41.86,92.71) 41.96,92.81 U29.13 ; 86.4,41.22 86.4,39.92 85.85,39.37 83.2,39.37 81.43,37.6 81.43,31.58 81.07,31.23 U13.17 81.07,27.61 80.24,26.78 77.61,26.78 76.14,25.31 76.14,23.65 75.84,23.35 75.84,21.63 73.55,19.34 73.55,12.4 75.47,10.48 77.32,10.48 78.07,9.73 U23.3 78.07,7.79 76.42,6.14 76.42,6.06 73.52,3.16 17.25,3.16 7.87,12.53 7.87,30.73 v1(8.38,31.24) ; v1(85.85,26.42) 86.21,26.05 91.78,26.05 92.53,26.8 U27.12 92.53,28.89 93.36,29.72 94.86,29.72 95.9,28.67 95.9,20.44 92.02,16.55 U24.13 ; U32.17 58.89,93.75 58.21,93.07 56.65,93.07 55.41,94.31 55.41,96.85 52.69,99.57 34.8,99.57 32.35,97.12 U33.13 32.35,94.16 31.52,93.33 29.76,93.33 28.56,94.54 28.56,96.53 26.86,98.23 17.85,98.23 15.68,96.05 U28.13
  Bottom w0.2: v1(15.75,92.71) 15.75,92.46 17.27,90.93 17.27,66.29 v1(20.57,62.99) ; v1(41.91,99.57) 41.91,92.76 v1(41.86,92.71) ; v1(8.38,31.24) v1(9.89,32.75) ; v1(33.35,58.75) 31.3,58.75 v1(31.25,58.8) ; v1(33.48,43.94) 32.57,44.85 25.74,44.85 21.24,40.35 14.91,40.35 12.64,42.62 12.64,43.8 v1(12.56,43.88) ; v1(80.82,30.73) 80.82,29.93 83.82,26.92 85.34,26.92 v1(85.85,26.42) ; v1(36.58,90.68) 37.05,90.21 37.05,77.78 v1(38.47,76.36)
BUS2: length 460.3
  Top w0.2: U14.12 34.56,43.86 v1(34.48,43.94) ; U20.12 34.56,58.4 v1(34.57,58.42) 34.57,58.65 32.51,60.71 22.61,60.71 21.84,61.47 v1(21.84,62.99) U34.15 ; 51.69,73.02 51.69,74.8 50.8,75.69 47.75,75.69 46.67,76.77 39.45,76.77 v1(39.3,76.92) ; U29.12 42.61,92.96 v1(42.86,92.71) 42.86,92.39 41.66,91.19 38.1,91.19 v1(37.59,90.68) ; v1(31.75,57.91) 31.12,57.91 30.35,58.67 17.78,58.67 16.13,57.02 U22.16 16.13,54.17 14.76,52.79 11.51,52.79 9.48,50.76 9.48,47.53 12.11,44.9 v1(12.89,44.9) 13.34,44.45 15.18,44.45 16.13,43.51 U16.16 16.13,41.48 15,40.35 12.27,40.35 11.51,39.59 9.98,39.59 7.62,37.22 7.62,35.28 9.13,33.76 9.87,33.76 11.59,32.04 14.65,32.04 16.13,30.56 U19.16 16.13,28.52 16.95,27.7 24.51,27.7 24.86,28.05 28.36,28.05 29.24,28.92 29.24,30.11 30.9,31.78 34.07,31.78 34.56,31.28 U17.12 ; U24.12 93.29,17.25 96.3,20.27 96.3,28.84 94.92,30.23 93.22,30.23 91.88,28.89 U27.13 91.88,26.85 91.48,26.45 87.14,26.45 v1(86.26,27.33) ; v1(7.62,32) 7.11,31.5 7.11,12.73 17.08,2.76 74.39,2.76 77.35,5.72 77.35,5.76 78.72,7.13 U23.4 78.72,9.87 77.71,10.88 75.7,10.88 73.95,12.63 73.95,19.14 76.24,21.43 76.24,23.19 76.54,23.49 76.54,25.1 77.82,26.38 80.49,26.38 81.72,27.61 U13.16 81.72,30.61 v1(81.82,30.71) 81.83,30.72 81.83,37.24 83.56,38.97 86.18,38.97 87.05,39.84 U10.16 ; v1(16.89,92.77) 16.33,93.33 U28.12 16.33,96.14 18.01,97.83 26.69,97.83 28.16,96.36 28.16,94.37 29.6,92.93 31.77,92.93 33,94.16 U33.12 33,96.53 35.28,98.81 v1(42.77,98.81) 52.89,98.81 55.01,96.69 55.01,94.15 56.48,92.67 58.57,92.67 59.54,93.64 U32.16
  Bottom w0.2: v1(42.77,98.81) 42.77,92.8 v1(42.86,92.71) ; v1(34.48,43.94) 33.17,45.25 25.58,45.25 21.08,40.75 15.07,40.75 13.32,42.51 13.32,44.48 v1(12.89,44.9) ; v1(9.65,33.72) 9.34,33.72 v1(7.62,32) ; v1(37.59,90.68) 37.45,90.53 37.45,78.77 v1(39.3,76.92) ; v1(21.84,62.99) 21.84,63.5 20.83,64.52 19.81,64.52 17.78,66.55 17.78,91.88 v1(16.89,92.77) ; v1(34.57,58.42) 34.07,57.91 v1(31.75,57.91) ; v1(81.82,30.71) 81.82,29.7 84.19,27.33 v1(86.26,27.33)
BUS3: length 459.5
  Top w0.2: v1(6.86,32.77) 6.35,32.26 6.35,12.93 16.92,2.36 75.26,2.36 78.22,5.33 78.25,5.33 79.37,6.45 U23.5 79.37,9.81 77.9,11.28 75.87,11.28 74.35,12.8 74.35,18.98 76.64,21.27 76.64,23.02 76.94,23.32 76.94,24.84 78.08,25.98 80.74,25.98 82.37,27.61 U13.15 82.37,29.76 82.71,30.1 82.71,30.72 82.47,30.95 82.47,31.33 82.22,31.58 82.22,37.07 83.73,38.57 86.35,38.57 87.7,39.92 87.7,41.22 ; U29.11 43.26,93.32 43.86,92.72 v1(43.86,92.7) 43.86,92.37 v1(42.67,91.19) ; U24.11 94.56,17.96 96.7,20.1 96.7,29 94.97,30.73 93.02,30.73 91.23,28.94 U27.14 91.23,26.97 91.11,26.85 87.81,26.85 v1(86.18,28.49) ; U14.11 35.21,43.67 v1(35.48,43.94) ; U17.11 35.21,31.2 34.23,32.17 30.73,32.17 28.84,30.28 28.84,29.09 28.2,28.45 24.7,28.45 24.34,28.1 17.33,28.1 16.78,28.65 U19.15 16.78,30.72 15.01,32.49 11.96,32.49 9.8,34.65 v1(9.24,34.65) 8.82,34.65 8.13,35.33 8.13,37.17 10.15,39.19 11.67,39.19 12.4,39.91 15.14,39.91 16.78,41.55 U16.15 16.78,43.42 15.35,44.85 14.33,44.85 v1(13.72,45.47) 13.03,46.15 11.49,46.15 9.92,47.72 9.92,50.57 11.7,52.34 14.99,52.34 16.78,54.13 U22.15 16.78,56.91 18.03,58.17 30.23,58.17 31.3,57.09 32.4,57.09 v1(32.47,57.16) ; v1(40.13,77.47) 46.74,77.47 48.01,76.2 51.56,76.2 52.96,74.8 U35.12 ; v1(17.87,92.98) 17.87,93.1 17.1,93.86 17.1,94.69 16.98,94.81 16.98,96.23 18.18,97.43 26.52,97.43 27.76,96.19 27.76,94.2 29.43,92.53 32.02,92.53 33.65,94.16 U33.11 33.65,95.88 35.81,98.04 v1(43.69,98.04) 53.09,98.04 54.61,96.52 54.61,93.98 56.39,92.2 58.67,92.2 60.19,93.72 U32.15 ; U34.18 25.65,63.25 27.69,61.21 32.77,61.21 35.31,58.67 v1(35.31,57.66) 35.21,57.56 U20.11
  Bottom w0.2: v1(9.24,34.65) 8.74,34.65 v1(6.86,32.77) ; v1(35.31,57.66) 34.81,57.16 v1(32.47,57.16) ; v1(86.18,28.49) 84.02,28.49 v1(82.56,29.95) ; v1(26.03,62.87) 26.03,63.88 24.64,65.28 19.81,65.28 18.29,66.8 18.29,92.56 v1(17.87,92.98) ; v1(40.13,77.47) 37.85,79.76 37.85,86.36 v1(42.67,91.19) ; v1(13.72,45.47) 18.03,41.15 20.91,41.15 25.41,45.65 33.77,45.65 v1(35.48,43.94) ; v1(43.86,92.7) 43.43,93.12 43.43,97.79 v1(43.69,98.04)
